# Altium PCB Stabilizer_Pounder.PcbDoc (part 4 of 7) (continued)
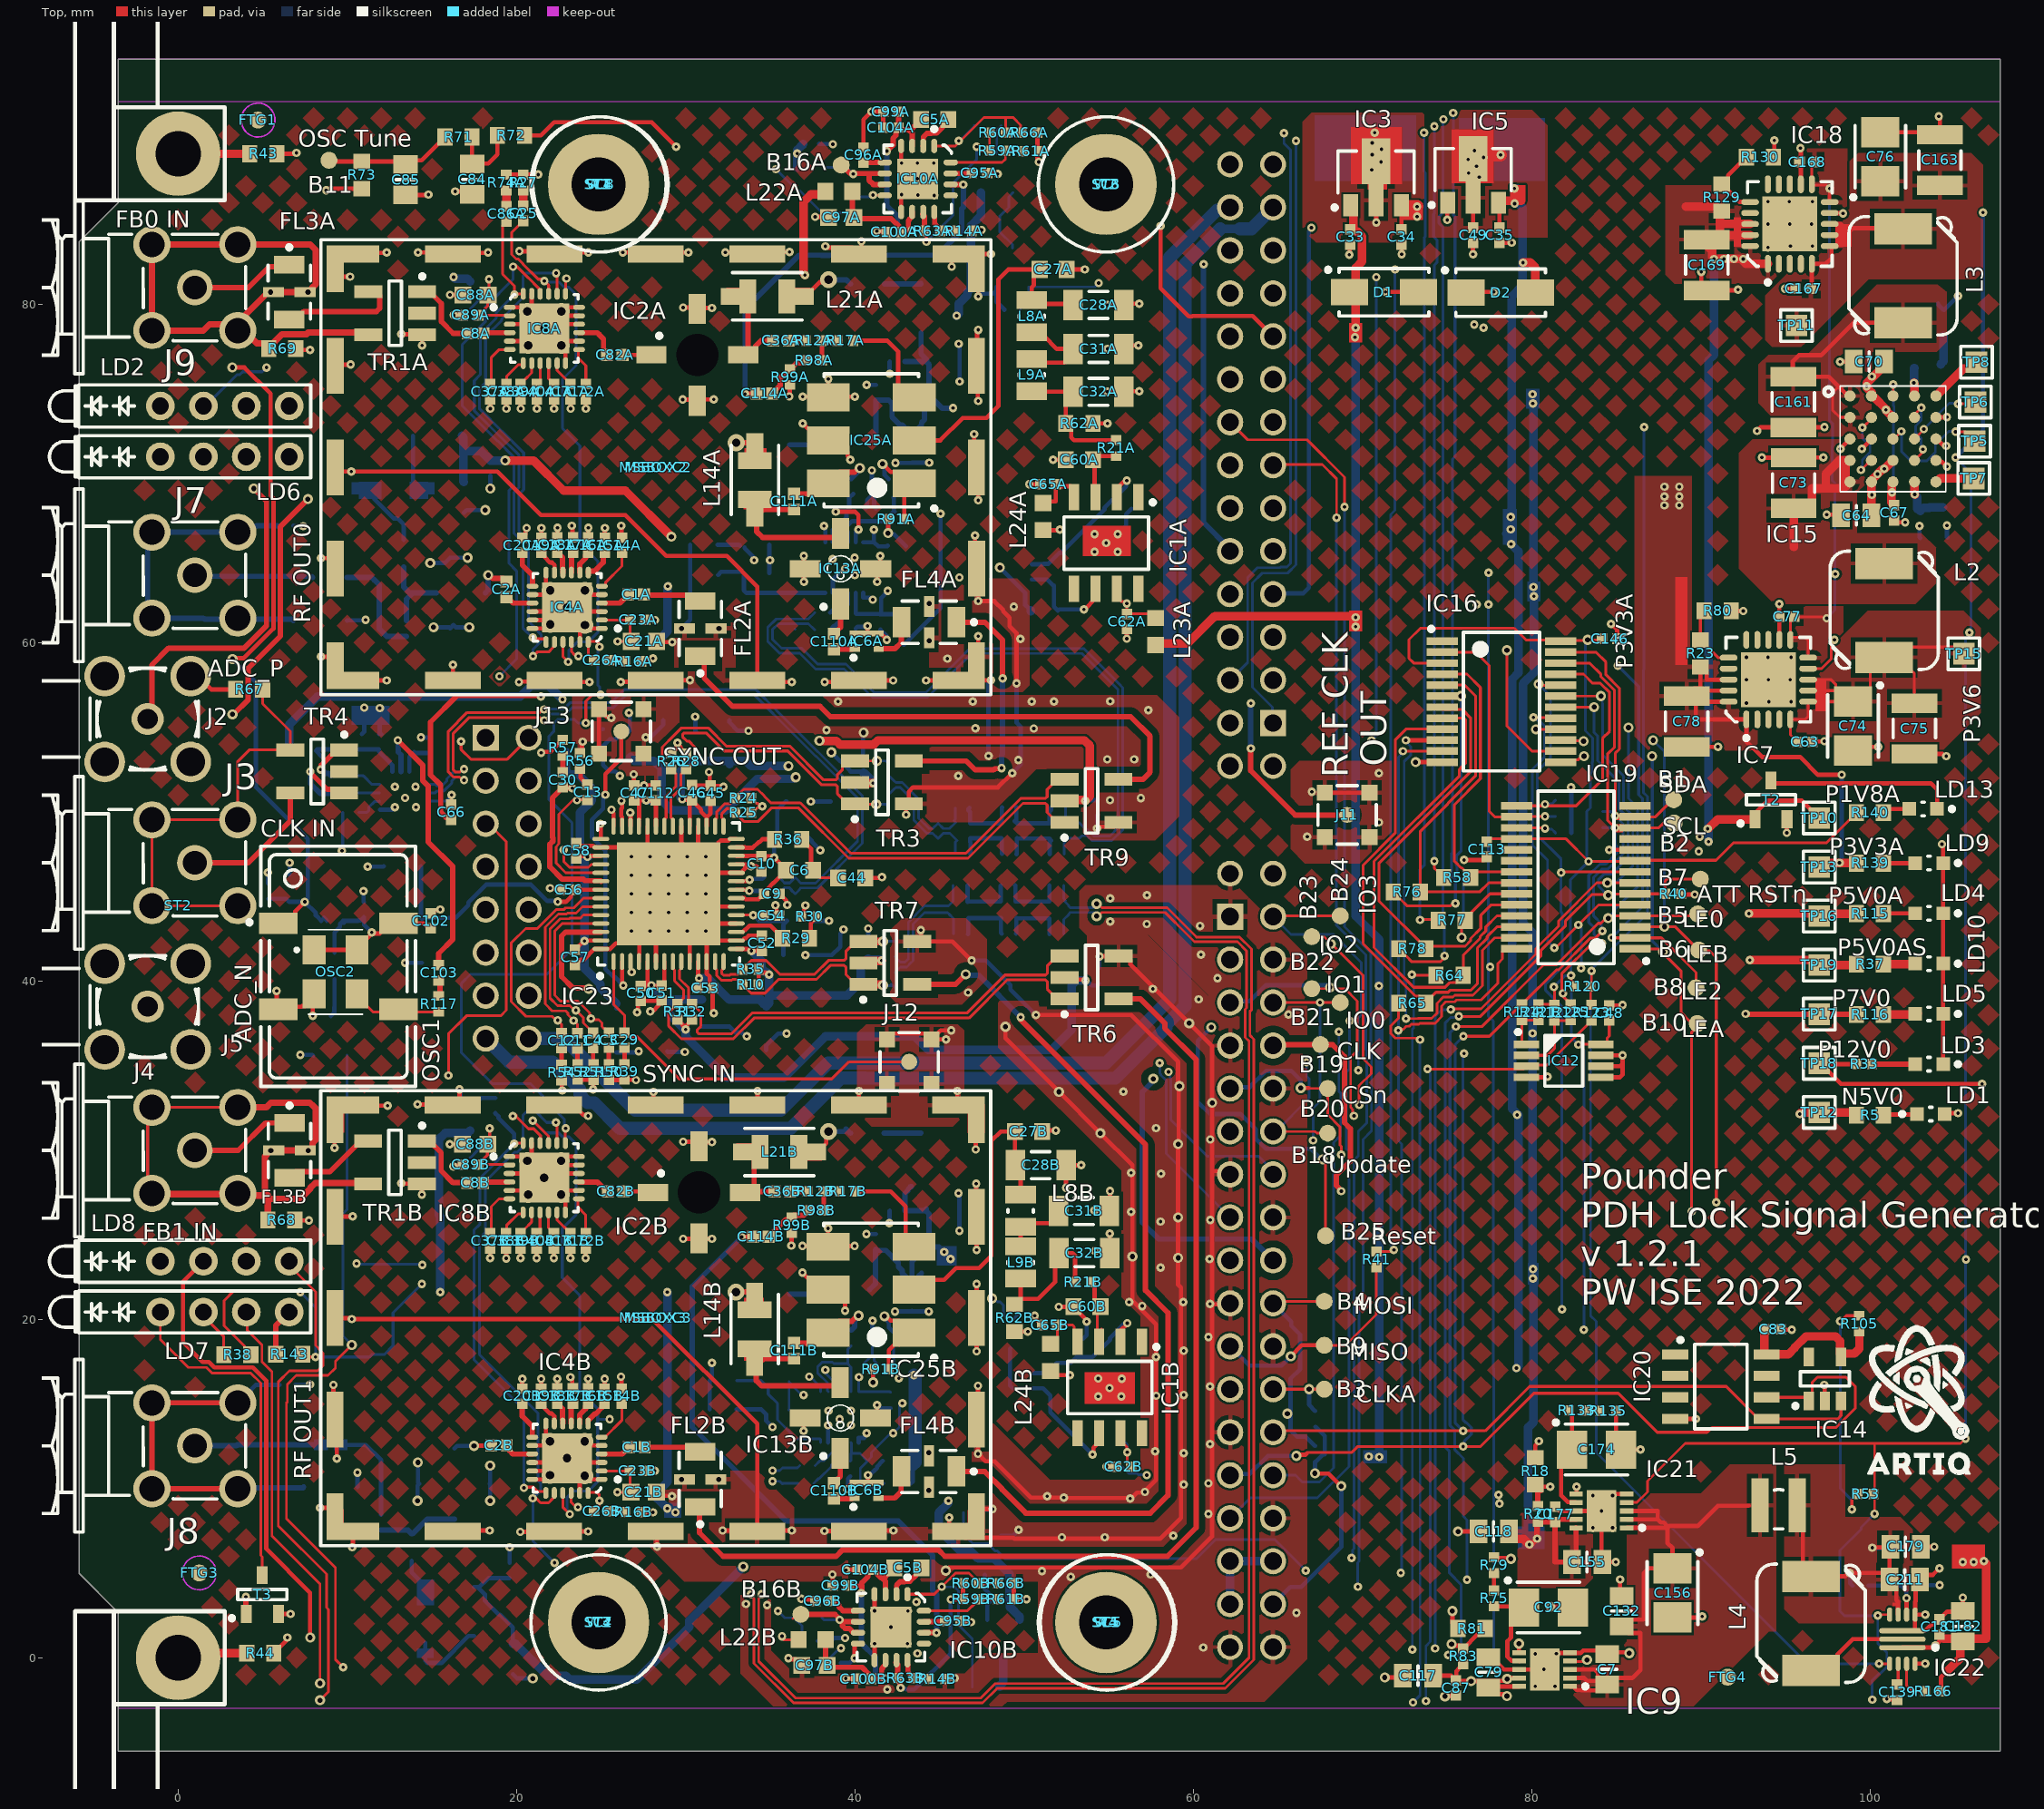
[diagram p0: Top view]
## Nets (pads, with @x,y where several pads share a name; then routed paths per layer and width w, separated by ;. In a path a pad name is that pad's centre, name@x,y a point inside that pad or via, vN(x,y) a via of type N, cw(c..) or ccw(c..) an arc to the next point about the centre after c; other vN are vias at no path point) (continued)
93.607,70.934 C73.1@95.479,70.934 95.487,70.942 v1(97.231,70.942) ; R130.1@94.289,88.704 94.336,88.751 v1(94.336,89.687) ; IC7.12@94.639,60.164 v1(94.639,62.281) ; C83.1@94.709,19.405 94.722,19.393 95.364,19.393 v1(95.377,19.38) ; v1(94.971,80.924) C167.2@95.613,80.924 ; v1(95.074,48.763) 95.084,48.773 95.084,49.553 T2.2@95.094,49.563 ; v1(95.885,89.23) 95.909,89.206 IC18.12@95.909,87.094 ; C63.2@96.599,54.144 96.616,54.161 97.291,54.161 v1(97.307,54.178) ; v1(97.289,16.129) 97.311,16.107 97.311,15.206 IC14.2@97.333,15.184 ; v1(97.434,67.564) 98.249,67.564 C64.1@98.289,67.524 ; v1(98.222,76.606) 99.031,76.606 C70.1@99.039,76.614 ; v1(98.247,71.45) 98.247,71.476 IC15.C1@98.814,72.043 ; C74.2@98.989,53.624 99.209,53.844 v1(100.489,53.844) ; v1(99.517,71.45) 100.084,72.017 IC15.C2@100.084,72.043 ; C76.2@100.609,90.174 C163.1@104.129,90.174 ; v1(100.99,-2.439) 101.012,-2.46 101.572,-2.46 C139.2@101.594,-2.482 ; C67.1@101.429,67.226 101.308,67.105 v1(102.076,67.105) ; IC22.3@101.909,1.598 102.638,1.598 IC22.3@102.647,1.607 ; C75.1@102.619,53.424 104.294,53.424 104.429,53.289 v1(104.496,53.289) ; IC22.11@102.659,-0.352 v1(103.261,-0.352) ; C179.1@102.994,6.558 v1(103.794,6.558) ; v1(103.261,2.548) IC22.4@102.659,2.548 ; IC15.D5@103.894,70.773 103.972,70.695 104.235,70.695 104.522,70.409 v1(104.546,70.409) ; IC15.C5@103.894,72.043 103.954,72.043 104.322,71.675 104.449,71.675 v1(104.496,71.628) ; IC15.B5@103.894,73.313 103.902,73.321 104.538,73.321 v1(104.546,73.33) ; v1(104.064,91.11) 104.064,91.043 104.129,90.978 C163.1@104.129,90.174 ; v1(104.094,5.278) 103.711,4.895 103.231,4.895 C211.1@102.954,4.618 102.688,4.352 102.688,3.329 102.668,3.308 102.668,2.557 IC22.4@102.659,2.548 ; C163.1@104.129,90.024 C163.1@104.129,90.174 ; v1(104.244,48.088) 104.244,48.021 104.319,47.946 LD9.1@104.319,46.973 LD5.1@104.319,38.057 LD3.1@104.319,35.085 ; LD1.2@104.419,32.138 104.469,32.188 v1(105.194,32.188) ; v1(105.484,3.558) C182.1@105.484,2.758 105.452,2.726 104.552,2.726 C181.1@104.094,2.268 103.783,1.957 103.612,1.957 103.261,1.607 IC22.3@102.647,1.607 ; IC8B.25@20.883,29.124 IC8B.25@21.383,28.624 ; IC8A.25@20.893,79.322 IC8A.25@21.393,78.822 ; IC8B.25@21.383,28.624 v3(21.633,28.374) ; IC8A.25@21.393,78.822 v3(21.643,78.572) ; v3(21.633,28.374) IC8B.25@22.383,27.624 ; v3(21.633,28.374) IC8B.25@21.883,28.624 ; v3(21.643,78.572) IC8A.25@22.393,77.822 ; v3(21.643,78.572) IC8A.25@21.893,78.822 ; IC8B.25@21.883,28.624 IC8B.25@22.383,29.124 ; IC8A.25@21.893,78.822 IC8A.25@22.393,79.322 ; IC4B.25@22.229,11.043 IC4B.25@22.729,11.543 ; IC4B.25@22.229,12.543 v3(22.979,11.793) ; IC4A.25@22.239,61.338 IC4A.25@22.739,61.838 ; IC4A.25@22.239,62.838 v3(22.989,62.088) ; IC4B.25@22.729,11.543 v3(22.979,11.793) ; IC4A.25@22.739,61.838 v3(22.989,62.088) ; v3(22.979,11.793) IC4B.25@23.229,11.543 ; v3(22.989,62.088) IC4A.25@23.239,61.838 ; IC4B.25@23.229,11.543 IC4B.25@23.729,11.043 ; IC4A.25@23.239,61.838 IC4A.25@23.739,61.338 ; IC23.57@28.234,43.618 IC23.57@28.234,44.398 ; IC23.57@28.234,44.398 v1(28.984,45.148) ; v1(28.984,45.148) v1(30.084,44.048) IC23.57@30.234,43.898 ; v1(28.984,45.148) 29.809,45.973 IC23.57@29.809,47.146 ; v1(28.984,45.148) 29.959,45.148 IC23.57@30.709,44.398 ; IC23.57@30.234,43.898 v1(31.184,42.948) IC23.57@31.234,42.898 ; 58.522,7.516 59.274,8.268 v1@59.274,21.102 ; v1@61.112,20.828 61.112,28.764 ; IC22.3@102.647,1.607 102.659,1.619 IC22.4@102.659,2.548
  Bottom Layer w0.254: v1(5.297,46.406) 5.314,46.389 5.314,45.772 C145.1@5.331,45.755 ; R168.1@6.554,46.288 6.579,46.313 v1(6.579,46.99) ; R19A.1@6.816,66.908 6.826,66.898 7.386,66.898 v1(7.396,66.888) ; R19B.1@6.922,16.129 7.772,16.129 v1(7.798,16.154) ; TR2A.4@9.978,61.312 9.992,61.326 10.961,61.326 v1@10.961,61.338 ; TR2B.4@10.598,10.088 v1(10.598,10.95) ; C123.1@10.846,54.588 10.998,54.74 v1(10.998,56.159) ; v1(10.947,45.313) 10.956,45.305 10.956,44.676 C101.1@10.964,44.668 ; C131.1@11.864,54.588 12.011,54.588 11.908,54.692 11.913,54.696 v1(11.913,56.134) ; IC24.1@11.914,50.128 12.663,50.128 IC24.17@12.665,50.13 ; IC24.17@12.666,50.13 IC24.17@12.725,50.189 ; v1(13.413,41.074) C69.2@14.404,41.074 ; v2(14.148,9.283) 14.148,10.197 IC11B.4@14.239,10.288 14.168,10.359 v2(14.168,11.543) ; v1(14.351,54.407) 14.365,54.392 14.9,54.392 C122.2@14.914,54.378 ; v2(14.9,64.708) 15.753,64.708 IC11A.4@16.064,65.019 v2(17.105,65.019) ; v2(15.09,60.908) 16.005,60.908 IC11A.2@16.064,60.849 16.258,61.043 16.393,60.908 v2(17.198,60.908) ; v1(16.627,33.596) 16.674,33.549 16.674,33.102 R74B.2@16.824,32.952 ; C93A.1@16.891,67.688 17.036,67.833 v2(18.149,67.833) ; v2(18.434,9.283) 18.434,10.263 IC11B.2@18.409,10.288 18.434,10.313 v2(18.434,11.358) ; v2(18.444,69.108) C115A.1@18.444,69.863 ; C115B.1@19.583,5.604 v1(19.583,6.528) ; C93B.1@19.779,-0.967 20.033,-1.222 v2(20.959,-1.222) ; C107.2@25.899,35.788 27.094,35.788 27.149,35.843 v1(27.216,35.843) ; v1(27.634,54.407) 27.681,54.454 27.97,54.454 28.669,55.153 C24.2@28.669,55.428 ; C55.2@28.909,35.843 28.938,35.814 v1(29.947,35.814) ; v2(29.754,60.838) 30.264,61.348 R22A.1@30.264,65.786 ; R22B.1@31.407,14.681 R9B.1@31.407,16.383 31.545,16.52 v1(31.545,17.426) ; C22.2@32.584,55.428 32.584,55.286 33.082,54.788 v1(33.706,54.788) ; C68.2@34.754,35.913 34.754,36.188 35.458,36.893 v1(35.962,36.893) ; v1(37.074,41.528) C106.2@38.364,41.528 38.639,41.528 39.137,42.026 39.137,42.804 39.319,42.986 v1(39.319,43.053) ; v1(37.388,50.613) 38.557,50.613 C108.2@38.562,50.608 ; R97B.1@37.808,0.99 38.574,0.99 38.752,1.168 v1(39.421,1.168) ; R97A.1@37.884,89.484 37.895,89.473 38.684,89.473 v1(38.695,89.463) ; v1(38.414,13.741) 38.416,13.74 IC17B.5@38.416,12.724 ; IC17A.5@38.695,62.94 38.695,63.765 IC17A.13@39.37,64.44 ; v1(39.457,-1.22) 39.496,-1.259 40.273,-1.259 C98B.1@40.312,-1.298 ; v1(39.538,9.962) 39.585,10.009 39.585,10.585 C140B.1@39.726,10.726 ; C138A.1@40.045,60.831 40.152,60.938 40.695,60.938 v1(40.742,60.985) ; C61.1@40.437,53.256 40.475,53.294 40.475,54.648 v2(40.513,54.686) ; v1(40.674,25.039) C91B.1@41.234,25.039 ; v1(40.684,75.238) C91A.1@41.244,75.238 ; v1(40.767,10.795) 40.814,10.842 40.915,10.842 41.139,11.066 41.154,11.066 41.306,11.218 41.306,11.297 C138B.1@41.642,11.633 ; C81.1@40.785,42.233 v1(40.785,43.099) ; R101A.2@40.996,69.634 v1(40.996,70.18) ; R101B.2@41.021,19.317 41.028,19.323 41.028,19.92 v1(41.035,19.927) ; v1(41.288,84.329) 41.302,84.316 41.878,84.316 C98A.1@41.892,84.302 ; v1(41.305,14.929) 41.371,14.929 41.556,14.744 R103B.1@42.113,14.744 ; C140A.1@41.504,60.771 41.889,60.385 41.889,60.175 v1(41.887,60.173) ; v2(41.96,66.474) 42.026,66.408 42.311,66.408 43.015,65.704 R103A.1@43.015,65.684 ; v1(42.039,25.694) 42.039,26.404 C109B.1@42.054,26.419 ; v1(42.049,75.893) 42.049,76.603 C109A.1@42.064,76.618 ; v1(42.369,20.468) 43.324,20.468 C94B.1@43.369,20.513 43.414,20.468 v1(44.369,20.468) ; v1(42.394,70.62) 43.351,70.62 C94A.1@43.369,70.638 v1(44.384,70.638) ; v1@45.355,36.55 v1(45.376,36.55) ; v1(46.124,27.46) 46.124,27.393 46.174,27.343 C90B.1@46.174,26.24 v1(46.174,25.24) ; v1(46.134,77.658) 46.134,77.592 46.184,77.542 C90A.1@46.184,76.438 v1(46.184,75.438) ; v1(46.894,41.21) 47.737,41.21 49.194,39.753 49.194,39.502 v1(50.698,37.998) ; v1(47.284,80.468) 47.35,80.468 47.51,80.628 48.164,80.628 T4A.2@48.362,80.826 ; R94B.1@47.358,8.585 47.515,8.741 48.086,8.741 v1(48.133,8.788) ; v1(47.894,53.308) 47.894,57.582 48.034,57.721 v1(48.034,57.788) ; T4A.2@48.362,81.026 T4A.2@48.362,80.826 ; T4B.2@48.626,7.195 49.311,7.195 v1(49.679,7.563) ; R94A.1@48.831,79.68 48.831,79.7 48.53,80.001 48.51,80.001 48.362,80.149 T4A.2@48.362,80.826 ; v1(49.294,52.288) 49.794,52.788 49.794,55.033 49.547,55.28 v1(49.547,57.591) ; R7B.1@53.48,18.857 53.692,19.069 v1(53.692,19.876) ; v1(54.31,49.028) 54.329,49.047 54.329,49.807 C59.1@54.349,49.827 ; C80.1@54.407,40.76 54.432,40.785 54.432,41.427 v1(54.458,41.453) ; v1(55.534,66.418) 56.024,66.908 56.024,67.596 R7A.1@56.347,67.919 ; v1(82.321,51.46) 82.337,51.444 R48.1@82.337,50.688 R47.1@82.337,49.728 R46.1@82.337,48.748 ; C178.1@102.494,6.458 103.627,6.458 103.727,6.558 v1(103.794,6.558) ; v1(102.921,66.903) 102.921,66.232 R55.2@102.969,66.184 ; R136.1@103.414,4.298 103.42,4.292 v1(104.115,4.292) ; R87.2@104.023,80.044 104.023,79.994 104.346,79.671 R87.2@104.396,79.671 ; R87.2@104.389,79.677 v1(105.207,80.495) ; v1(104.546,66.929) 104.546,66.237 R82.2@104.589,66.194
  other v1: 41.91,-1.88 80.214,-1.686 81.379,-1.686 80.214,0.224 43.688,0.254 43.104,0.833 42.129,1.808 66.091,2.652 43.13,2.766 34.807,3.108 33.56,3.179 43.631,3.298 52.76,4.783 57.468,4.921 51.052,5.122 52.232,7.125 54.761,7.125 83.617,7.678 84.782,7.678 60.893,8.497 51.358,9.554 83.617,9.588 57.142,9.803 59.437,10.236 60.893,10.313 59.437,12.095 57.741,12.205 60.982,12.629 39.764,13.741 39.091,14.097 38.434,14.605 39.764,14.605 54.373,15.444 55.748,15.444 57.804,15.483 59.437,15.534 55.048,15.944 60.982,16.034 55.772,16.488 54.375,16.506 57.795,17.774 59.437,18.146 60.893,18.959 56.981,20.789 60.982,20.917 56.207,21.022 58.071,23.061 60.96,23.572 24.084,23.629 58.071,25.784 60.996,25.873 56.317,26.359 58.095,28.614 56.317,28.658 60.996,30.635 57.801,31.306 55.866,33.46 65.625,38.023 60.323,38.92 46.688,39.324 57.607,39.535 61.426,40.166 60.444,41.555 27.884,42.948 28.984,42.948 30.084,42.948 60.394,43.258 57.244,43.372 55.094,43.524 26.784,44.048 28.984,44.048 31.184,44.048 55.094,44.885 57.263,45.071 26.784,45.148 27.884,45.148 31.184,45.148 26.784,46.248 27.884,47.348 28.984,47.348 30.084,47.348 66.733,48.534 70.969,49.378 12.804,50.268 14.048,50.268 55.075,50.688 13.413,50.827 56.9,50.818 67.005,51.189 12.804,51.488 14.023,51.488 46.101,52.121 70.969,52.288 49.654,53.069 54.91,53.106 56.502,53.106 38.319,54.83 50.567,54.926 47.117,54.945 57.34,56.012 92.689,56.424 38.994,56.521 46.968,56.521 50.445,56.516 51.76,56.516 94.025,56.514 95.326,56.514 55.094,56.532 92.689,57.814 93.989,57.814 95.277,57.814 45.469,59.059 92.689,59.134 93.959,59.134 95.326,59.134 49.784,60.222 11.074,61.341 49.387,62.12 46.173,63.854 39.996,63.988 39.421,64.363 38.674,64.938 39.981,65.019 54.159,65.368 55.534,65.368 54.848,65.891 54.159,66.418 22.414,66.788 24.094,73.828 93.959,83.354 95.295,83.444 96.596,83.444 93.959,84.744 95.259,84.744 96.547,84.744 93.959,86.064 95.229,86.064 96.596,86.064 44.679,86.436 43.713,86.461 42.748,86.487 44.628,87.401 42.774,87.427 43.688,87.427 70.544,87.938 42.748,88.341 43.688,88.341 44.653,88.341 71.094,88.413 70.569,88.838 71.119,89.163 70.569,89.538 70.714,90.144
  other v2: 44.374,9.905 29.744,10.543 31.954,10.543 44.374,12.115 44.384,60.104 31.964,60.838 44.384,62.314
  other v3: 24.024,12.793 20.683,27.37 24.034,63.088 20.693,77.569
I2C1_SCL: B2.1 IC14.1 IC16.22 IC19.12 IC20.6 J10.27 R42.2 R125.1 | length 109.6
  Top w0.166: J10.27@62.174,10.788 J10.27@62.549,10.788 ; 66.726,12.141 69.372,12.141 69.719,12.488 v1(75.944,12.488) 76.982,12.488 80.126,15.633 85.111,15.633 87.415,13.328 90.365,13.328 90.649,13.612 97.991,13.612 99.127,14.749 99.127,16.034 98.572,16.589 96.893,16.589 96.59,16.286 96.59,15.588 IC14.1@96.284,15.283 ; IC16.22@81.715,58.789 83.431,58.789 84.093,58.127 84.093,57.982 84.895,57.18 84.895,53.831 84.478,53.413 84.478,49.513 v1(84.938,49.053) IC19.12@86.117,49.053 87.509,49.053 87.768,49.312 88.393,49.312 B2.1@88.419,49.338 ; v1@81.791,39.143 82.083,38.85 82.083,38.83 82.29,38.623 R125.1@82.31,38.623 ; v1@81.791,39.264 81.791,40.454 83.573,42.236 v1(84.146,42.236) ; IC20.6@93.886,15.392 94.361,15.392 96.175,15.392 IC14.1@96.284,15.283 ; IC14.1@96.383,15.184 IC14.1@96.284,15.283
  Top w0.254: v2(66.091,11.938) 66.157,12.004 66.64,12.004 66.726,12.09
  L3 w0.166: v1(76.008,35.712) 78.193,35.712 79.937,37.456 80.04,37.456 v1(81.848,39.264)
  Bottom Layer w0.166: v1(75.944,12.488) 76.008,12.552 76.008,12.789 76.429,13.21 76.429,13.612 76.145,13.896 76.105,13.896 75.944,14.057 75.944,35.648 v1(76.008,35.712) ; v1(84.146,42.236) 84.146,42.294 83.69,42.75 83.69,43.152 83.375,43.468 83.375,46.256 84.028,46.909 84.387,46.909 85.04,47.562 85.04,47.943 85,47.983 85,48.019 84.938,48.082 v1(84.938,49.053) ; R42.2@84.197,49.068 v1@84.923,49.068
  Bottom Layer w0.254: J10.27@62.174,10.788 62.245,10.859 63.33,10.859 64.409,11.938 v2(66.091,11.938)
I2C1_SDA: B1.1 IC14.3 IC16.23 IC19.13 IC20.5 J10.26 R45.2 R124.1 | length 96.3
  Top w0.166: J10.26@64.714,13.328 64.808,13.422 v1@75.944,13.422 ; v1(75.944,13.411) 77.258,13.411 79.88,16.034 91.499,16.034 93.411,14.122 98.087,14.122 98.283,14.318 IC14.3@98.283,15.184 ; v1(75.959,36.733) 77.5,36.733 79.4,38.633 R124.1@79.42,38.633 79.44,38.633 81.473,40.665 81.588,40.665 83.451,42.528 83.753,42.528 v1(84.176,42.951) ; IC16.23@81.715,59.439 83.793,59.439 84.386,58.847 84.386,58.104 85.188,57.301 85.188,53.71 84.938,53.459 84.938,49.812 84.964,49.785 v1(84.938,49.758) 84.965,49.731 86.089,49.731 IC19.13@86.117,49.703 87.309,49.703 B1.1@88.369,50.763
  Bottom Layer w0.166: v1(75.944,13.411) 75.489,13.866 75.489,36.263 v1(75.959,36.733) ; v1(84.176,42.951) 84.112,43.015 84.112,43.401 83.667,43.846 83.667,46.135 84.149,46.617 84.508,46.617 85.397,47.506 85.397,49.299 v1(84.938,49.758) 84.668,50.028 R45.2@84.197,50.028
IO_Update: B18.1 IC23.46 J10.12 | length 68.5
  Top w0.152: v1(22.785,47.748) 22.785,47.057 23.129,46.714 24.239,46.714 24.424,46.898 IC23.46@24.984,46.898 ; J10.12@64.714,31.108 67.194,31.108 67.294,31.008 B18.1@67.944,31.008
  L3 w0.152: v1(22.785,47.748) 22.785,47.038 23.585,46.239 23.585,42.992 23.53,42.937 23.53,38.92 24.213,38.237 24.584,38.237 24.85,37.971 24.85,37.596 24.749,37.495 24.749,37.096 27.508,34.336 27.508,33.197 27.758,32.947 59.609,32.947 61.739,35.077 66.479,35.077 66.606,35.204 v1(66.7,35.204)
  Bottom Layer w0.152: J10.12@64.872,31.089 66.848,33.066 66.848,34.217 66.7,34.365 v1(66.7,35.204)
JADC1_IN2_N: J1.4 R104A.1 | length 72.2
  L3 w0.152: v1(35.331,87.985) 35.331,88.627 36.62,89.916 39.294,89.916 39.436,90.058 45.892,90.058 45.946,90.112 v1(65.357,90.112)
  Bottom Layer w0.152: v1(35.331,87.985) 36.62,86.696 36.753,86.696 38.043,85.407 R104A.1@40.208,85.407 ; J1.4@62.174,57.788 63.215,58.829 63.215,63.857 63.788,64.43 65.119,64.43 65.163,64.474 65.535,64.474 65.748,64.687 65.748,89.121 65.357,89.512 v1(65.357,90.112)
JADC1_IN2_P: J1.1 R96A.2 R97A.2 | length 68.5
  L3 w0.152: v1(36.589,88.907) 36.608,88.907 36.941,88.574 42.083,88.574 42.375,88.865 47.378,88.865 ; 47.379,88.866 52.283,88.866 53.076,89.659 v1(66.065,89.659)
  Bottom Layer w0.152: J1.1@64.669,55.188 64.669,56.188 63.494,57.363 63.494,63.538 64.069,64.113 65.569,64.113 66.065,64.609 66.065,87.001 v1(66.065,89.659) ; J1.1@64.714,55.248 J1.1@64.714,55.248
  Bottom Layer w0.508: R96A.2@36.589,88.087 v1(36.589,88.907) 36.589,89.129 36.888,89.428 36.908,89.428 36.944,89.464 R97A.2@36.944,89.484
JADC2_IN2_N: J1.16 R104B.1 | length 109.4
  Top w0.152: J1.16@62.174,73.028 63.214,71.988 66.721,71.988 68.936,69.774 v1(68.936,68.021)
  L3 w0.152: v1(39.18,0.559) 39.246,0.625 39.58,0.625 39.675,0.72 40.573,0.72 40.914,0.38 41.812,0.38 42.804,1.371 43.986,1.371 44.702,2.088 45.588,2.088 46.228,1.448 50.937,1.448 53.78,4.291 56.858,4.291 57.496,3.653 61.276,3.653 61.769,4.146 68.734,4.146 68.786,4.198 v1(69.721,4.198)
  Bottom Layer w0.152: R104B.1@38.24,-0.305 38.24,-0.285 39.083,0.559 v1(39.18,0.559) ; v1(68.936,68.021) 68.936,43.215 70.485,41.666 70.485,36.076 70.536,36.025 70.536,31.139 70.032,30.635 70.032,21.087 69.803,20.859 69.803,5.708 69.721,5.626 v1(69.721,4.198)
JADC2_IN2_P: J1.13 R96B.2 R97B.2 | length 108.5
  Top w0.152: J1.13@64.794,70.538 67.619,70.538 68.469,69.688 v1(68.469,67.388)
  L3 w0.152: v1(35.453,2.766) 37.742,2.766 39.627,4.651 45.32,4.651 ; 45.321,4.651 48.725,4.651 50.288,6.213 60.084,6.213 61.567,4.73 65.037,4.73 65.077,4.77 65.159,4.77 66.276,5.886 v1@69.341,5.886
  Bottom Layer w0.152: v1(35.453,2.766) 35.857,2.362 R96B.2@36.449,2.362 36.449,2.312 36.868,1.893 R97B.2@36.868,0.99 ; J1.13@64.714,70.488 J1.13@65.053,70.488 ; v1(68.469,67.388) 68.469,67.438 68.453,67.454 68.453,43.303 70.206,41.55 70.206,35.96 70.256,35.909 70.256,31.613 69.752,31.109 69.752,29.666 69.494,29.408 69.494,6.451 69.417,6.373 69.417,5.962 v1(69.35,5.896)
JADC3_IN5_N: J1.10 J5.1 | length 122.9
  Top w0.316: v2(3.204,55.766) 3.275,55.766 4.139,56.629 4.139,58.488 6.043,60.393 6.043,66.865 v2(7.666,68.488)
  L3 w0.316: J5.1@-1.806,38.488 -1.806,40.589 0.119,42.513 1.938,42.513 2.151,42.726 4.174,42.726 5.297,43.849 5.297,45.627 4.762,46.163 4.762,48.567 4.909,48.715 4.909,51.388 3.634,52.663 3.634,55.336 v2(3.204,55.766) ; v2@7.597,68.557 11.684,72.644 11.684,81.534 14.503,84.353 20.473,84.353 22.318,82.507 26.983,82.507 28.436,83.961 39.604,83.961 39.897,84.253 40.608,84.253 41.067,83.794 43.53,83.794 43.964,84.228 45.765,84.228 46.27,83.723 48.072,83.723 48.791,83.004 59.972,83.004 v1(60.604,82.372)
  Bottom Layer w0.316: v1(60.604,82.372) 60.604,67.103 J1.10@62.119,65.588
JADC3_IN5_P: J1.7 J2.1 | length 120.4
  Top w0.316: J2.1@-1.806,55.488 -1.556,55.738 -1.556,58.688 -0.566,59.678 3.896,59.678 5.219,61.002 5.219,68.358 v2(4.469,69.108)
  L3 w0.254: 59.258,83.744 60.046,84.531 v1(66.98,84.531)
  L3 w0.316: v2(4.469,69.108) 7.485,69.108 11.074,72.697 11.074,83.134 13.538,85.598 21.652,85.598 23.473,83.777 27.263,83.777 27.889,84.404 39.421,84.404 39.981,84.965 48.663,84.965 50.04,83.588 56.457,83.588 56.612,83.744 59.258,83.744
  Bottom Layer w0.254: J1.7@65.069,62.913 66.494,62.913 66.827,63.246 66.827,84.312 66.98,84.464 v1(66.98,84.531)
LED4: LD2.2 R58.1 | length 126.2
  Top w0.166: v1(74.244,47.088) 74.244,46.663 74.377,46.53 74.427,46.53 74.794,46.163 R58.1@74.794,46.113
  L3 w0.166: v1(5.219,76.263) 6.564,77.608 6.564,80.724 16.503,90.663 40.632,90.663 40.659,90.637 45.652,90.637 45.707,90.691 55.455,90.691 55.628,90.865 70.37,90.865 70.402,90.897 71.025,90.897 71.281,90.641 74.038,90.641 74.154,90.525 v1(74.244,90.525)
  Bottom Layer w0.166: LD2.2@1.819,74.188 3.468,75.837 3.644,75.837 3.82,76.013 4.955,76.013 5.205,76.263 v1(5.219,76.263) ; v1(74.244,47.088) 74.244,82.321 74.399,82.476 74.399,83.8 74.203,83.996 74.203,85.321 74.244,85.362 v1(74.244,90.525)
LED5: LD2.4 R76.1 | length 135.4
  Top w0.166: R76.1@71.819,45.263 71.819,45.213 72.186,44.846 72.236,44.846 72.644,44.438 75.18,44.438 75.266,44.524 75.43,44.524 v1(75.494,44.588)
  L3 w0.166: LD2.4@6.419,73.999 4.467,75.951 4.467,77 5.215,77.748 5.215,79.149 4.657,79.707 4.657,81.492 14.721,91.555 35.803,91.555 36.144,91.897 49.435,91.897 49.882,91.45 70.128,91.45 70.16,91.482 74.878,91.482 74.983,91.377 75.298,91.377 v1(75.362,91.313)
  Bottom Layer w0.166: v1(75.362,91.313) 75.362,85.283 75.466,85.179 75.466,70.987 75.307,70.828 75.307,47.573 75.256,47.521 75.256,46.219 75.494,45.981 75.494,44.687 75.593,44.588 v1@75.593,44.413
LED6: LD6.2 R77.1 | length 135.8
  Top w0.166: v1(73.394,43.613) 73.419,43.638 R77.1@74.469,43.638
  L3 w0.166: LD6.2@1.544,70.763 2.569,69.738 6.176,69.738 6.366,69.928 7.003,69.928 7.624,70.549 7.624,72.195 8.253,72.824 8.253,77.496 7.916,77.832 7.916,80.111 8.179,80.374 8.179,81.149 8.13,81.198 8.13,81.84 16.66,90.37 40.511,90.37 40.537,90.344 45.774,90.344 45.828,90.398 55.576,90.398 55.749,90.572 70.491,90.572 70.523,90.604 70.904,90.604 71.402,90.106 73.596,90.106 v1(73.635,90.144)
  Bottom Layer w0.166: v1(73.394,43.613) 73.394,46.588 73.648,46.842 73.648,83.931 73.713,83.996 73.713,87.775 73.635,87.854 v1(73.635,90.144)
LED7: LD6.4 R78.1 | length 140.4
  Top w0.166: R78.1@72.144,41.913 72.144,41.863 72.511,41.496 72.561,41.496 72.919,41.138 74.594,41.138 74.707,41.251 74.707,41.261 74.844,41.397 v1(74.844,41.488)
  L3 w0.166: LD6.4@6.564,71.188 7.241,71.865 7.241,72.226 7.624,72.609 7.624,74.427 7.619,74.432 7.619,74.688 7.019,75.288 5.544,75.288 4.759,76.073 4.759,76.879 5.507,77.627 5.507,79.27 4.949,79.828 4.949,81.301 14.885,91.237 32.785,91.237 32.865,91.157 40.552,91.157 40.78,90.929 45.531,90.929 45.585,90.983 55.333,90.983 55.507,91.157 70.249,91.157 70.281,91.189 72.355,91.189 72.549,90.996 74.714,90.996 v1(74.778,90.932)
  Bottom Layer w0.166: 74.744,43.413 74.752,43.405 ; v1(74.778,90.932) 74.752,90.906 74.752,85.42 74.521,85.189 74.521,84.787 74.752,84.556 74.752,43.405 ; v1(74.844,41.488) 74.844,43.313 74.752,43.405
LED8: LD8.2 R64.1 | length 136.2
  Top w0.152: v1(72.919,40.388) 72.969,40.338 R64.1@74.344,40.338
  Top w0.254: LD8.2@1.484,23.438 0.278,22.232 0.278,18.654 1.443,17.489 1.809,17.489 2.139,17.159 4.415,17.159 5.207,16.367 5.207,6.437 7.798,3.847 v2(7.798,1.194)
  L3 w0.152: v2@7.802,1.142 8.385,0.559 18.999,0.559 19.71,-0.153 23.861,-0.153 23.9,-0.191 35.219,-0.191 35.583,-0.555 37.212,-0.555 37.288,-0.479 42.647,-0.479 42.762,-0.594 45.172,-0.594 45.505,-0.26 49.86,-0.26 51.109,-1.509 70.256,-1.509 72.254,0.488 v1(72.944,0.488)
  Bottom Layer w0.152: v1(72.944,0.488) 72.944,37.154 73.025,37.235 73.025,40.188 72.944,40.269 v1@72.944,40.388
LED9: LD8.4 R65.1 | length 138.2
  Top w0.152: LD8.4@6.564,23.438 6.564,23.174 8.119,21.619 8.119,18.453 8.434,18.138 8.434,18.105 8.572,17.968 8.572,17.297 8.239,16.963 6.579,16.963 5.919,16.303 5.919,7.786 8.763,4.942 8.763,2.963 8.885,2.841 8.885,-2.009 v2(8.382,-2.512) ; R65.1@72.144,38.688 72.118,38.662 72.118,37.807 71.665,37.354 71.665,36.896 71.931,36.631 73.134,36.631 73.169,36.595 73.331,36.595 v1(73.397,36.529)
  L3 w0.152: v2@8.393,-2.501 8.442,-2.55 8.911,-2.55 9.081,-2.72 72.43,-2.72 72.506,-2.644 72.976,-2.644 v1(72.985,-2.635)
  Bottom Layer w0.152: v1(72.985,-2.635) 73.397,-2.223 73.397,17.345 73.388,17.354 73.388,36.52 v1(73.397,36.529)
N5V0A1A: C65A.2 IC1A.4 L24A.1 | length 3.7
  Top w0.254: L24A.1@51.112,68.249 51.212,68.349 51.867,68.349 C65A.2@51.867,69.365 51.993,69.239 52.737,69.239 52.943,69.033 IC1A.4@52.943,68.341
N5V0A1B: C65B.2 IC1B.4 L24B.1 | length 3.3
  Top w0.166: L24B.1@51.561,18.552 51.569,18.552 51.961,18.944 C65B.2@51.961,19.668 52.862,19.668 52.959,19.571 52.959,18.87 IC1B.4@53.156,18.673
N5V0AS: C35.2 D2.2 IC5.3 L24A.2 L24B.2 R5.2 TP12.1 | length 152.4
  Top w0.254: L24A.2@51.112,66.649 52.09,66.649 v1(52.118,66.677) ; L24B.2@51.561,16.952 51.807,16.706 v1(52.701,16.706) ; C35.2@78.099,84.527 78.099,86.002 v1@78.814,86.002
  Top w0.508: IC5.3@78.039,86.002 78.157,86.12 79.372,86.12 ; v1(79.494,82.463) 79.921,82.463 80.219,82.165 D2.2@80.219,80.688 ; v1(95.844,32.138) 95.944,32.238 TP12.1@96.994,32.238 99.044,32.238 R5.2@99.219,32.063
  L3 w0.508: v1(52.118,66.677) 52.184,66.743 53.524,66.743 54.05,67.269 59.948,67.269 60.604,66.613 78.068,66.613 v1(78.755,66.699) ; v1(52.701,16.706) 53.453,16.706 53.884,17.137 57.257,17.137 57.274,17.119 v1(79.096,17.119) ; v1(79.144,32.088) 79.194,32.138 v1(95.844,32.138)
  Bottom Layer w0.508: v1(78.991,85.953) 79.227,85.953 79.47,85.709 79.47,81.115 78.814,80.459 78.814,68.086 v1(78.755,67.426) v1(78.755,66.699) 78.498,66.442 78.755,66.184 78.591,66.019 79.218,65.392 79.218,58.215 78.841,57.839 78.841,32.453 79.206,32.088 79.206,17.23 v1(79.096,17.119)
  other v1: 78.783,65.827 78.984,86.846
N12V0AS: C49.2 IC5.2 IC5.4 J1.26 J6.16 | length 113.6
  Top w0.254: C49.2@76.539,84.527 IC5.2@76.539,86.302 IC5.4@76.539,88.231
  Top w0.762: IC5.4@76.539,88.602 76.761,88.824 v1(78.156,88.824)
  L3 w0.5: 64.15,87.036 65.278,87.036
  L3 w0.762: J1.26@62.174,85.728 63.482,87.036 64.15,87.036 ; 65.278,87.036 73.651,87.036 75.178,88.563 v1(76.244,88.563) ; v1@76.381,88.425 76.78,88.824 v1(78.156,88.824)
  Bottom Layer w0.762: J6.16@20.714,36.598 22.785,36.598 27.017,32.366 35.616,32.366 38.406,35.157 54.84,35.157 58.598,38.915 58.598,82.766 61.409,85.577 62.023,85.577 J1.26@62.174,85.728
  other v1: 76.894,87.513 76.269,87.763 76.744,88.163 77.156,88.685 76.619,89.088
NetB11_1: B11.1 C85.2 R71.1 R73.1 | length 7.7
  Top w0.254: B11.1@8.911,88.513 8.986,88.438 R73.1@10.844,88.438 13.262,88.438 C85.2@13.437,88.263 13.687,88.513 14.394,88.513 15.396,89.515 15.446,89.515 15.769,89.838 R71.1@15.769,89.888
NetB16A_1: B16A.1 IC10A.6 IC10A.7 R96A.1 | length 5.9
  Top w0.316: B16A.1@39.167,88.112 39.332,88.112 v1@39.711,87.733 ; v1@39.903,87.733 40.831,87.733 ; IC10A.7@41.759,87.083 41.085,87.083 40.831,87.337 40.831,87.733 ; IC10A.6@41.759,87.733 40.831,87.733
  Bottom Layer w0.152: R96A.1@38.189,88.087 39.522,88.087 v1(39.903,87.706)
NetB16B_1: B16B.1 IC10B.6 IC10B.7 R96B.1 | length 6.3
  Top w0.152: 36.335,2.325 36.575,2.565 B16B.1@36.805,2.565
  Top w0.316: B16B.1@36.805,2.565 38.831,2.565 v1@39.122,2.274 ; 39.263,2.055 39.263,1.88 39.414,1.729 39.653,1.729 39.678,1.703 39.693,1.703 39.914,1.483 IC10B.7@40.179,1.483 ; v1@39.263,2.133 IC10B.6@40.179,2.133
  Bottom Layer w0.152: R96B.1@38.049,2.362 38.169,2.242 v1(39.091,2.242)
NetC1A_1: C1A.1 FL2A.3 | length 3.5
  Top w0.316: C1A.1@27.527,62.838 27.562,62.803 30.519,62.803 FL2A.3@30.859,62.463